# Altium PCB PCB1_NEW.PcbDoc (part 1 of 2)
Units mm, origin at the board's own origin, x right, y up, seen from the top; angles counter-clockwise.
Board outline 99.96 x 62.07 mm, 4 copper layers (Top Layer, GND2, V_S_3, Bottom Layer), stack 0.778 mm thick; 69 components, 99 nets, 303 pads, 184 vias.
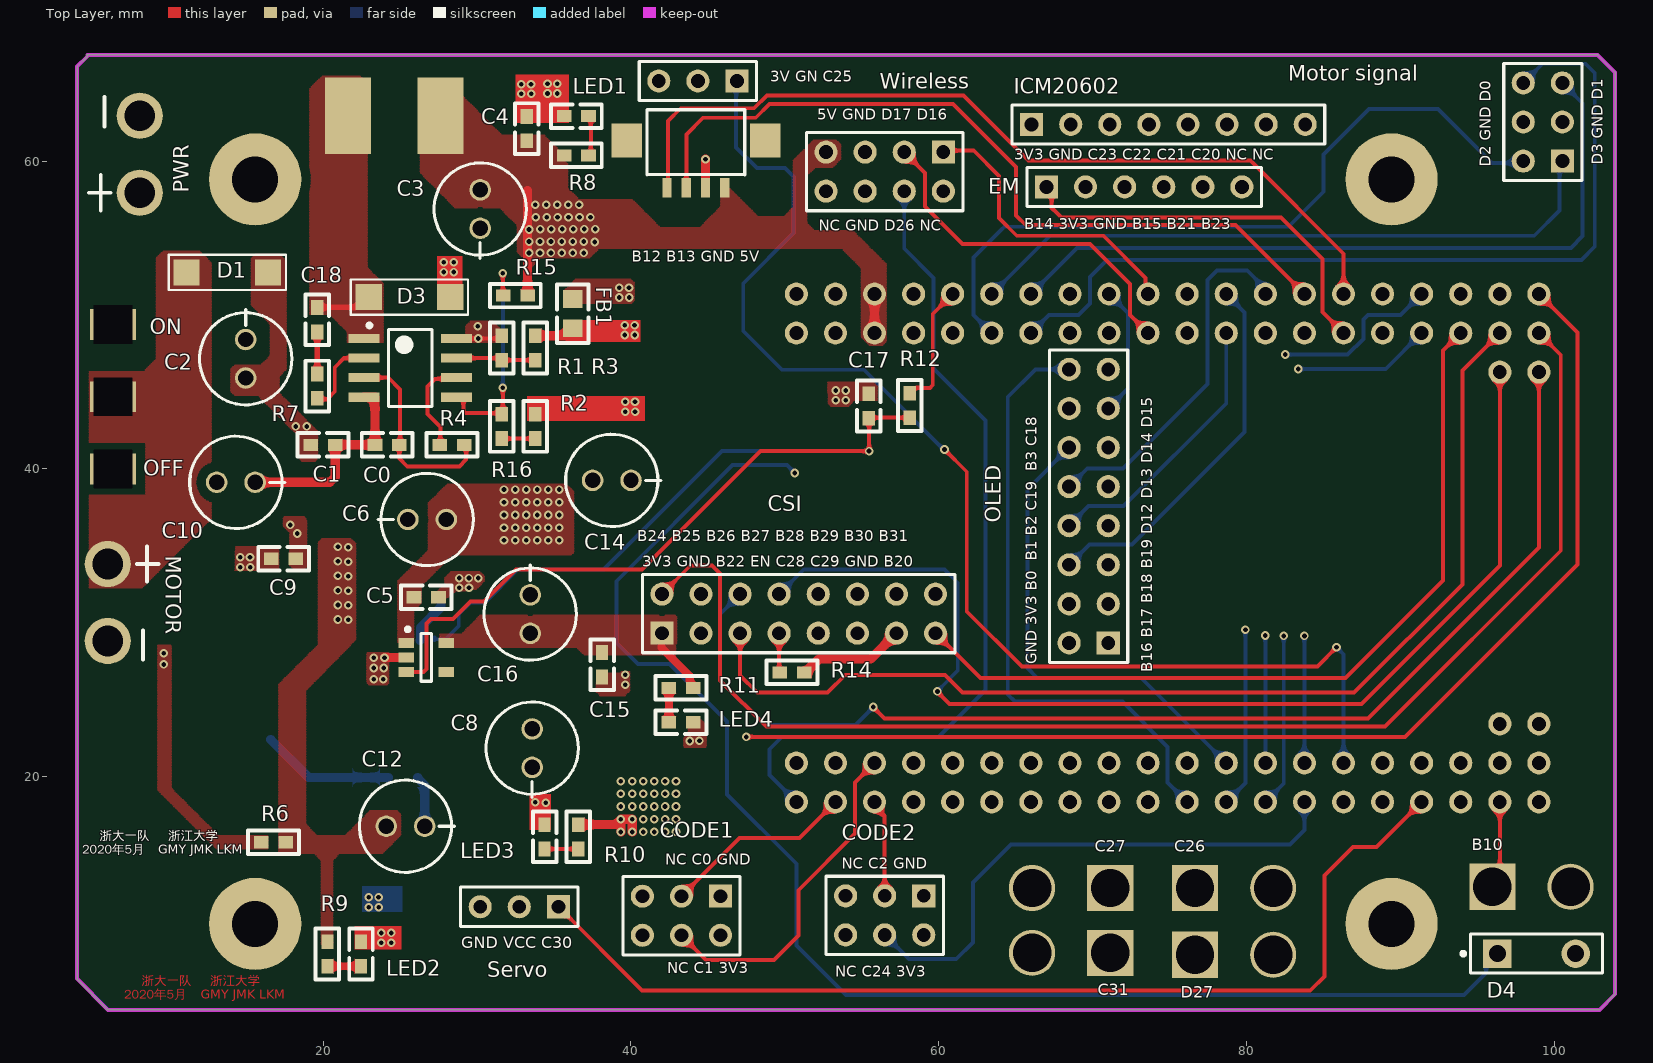
[diagram p0: Top Layer view]
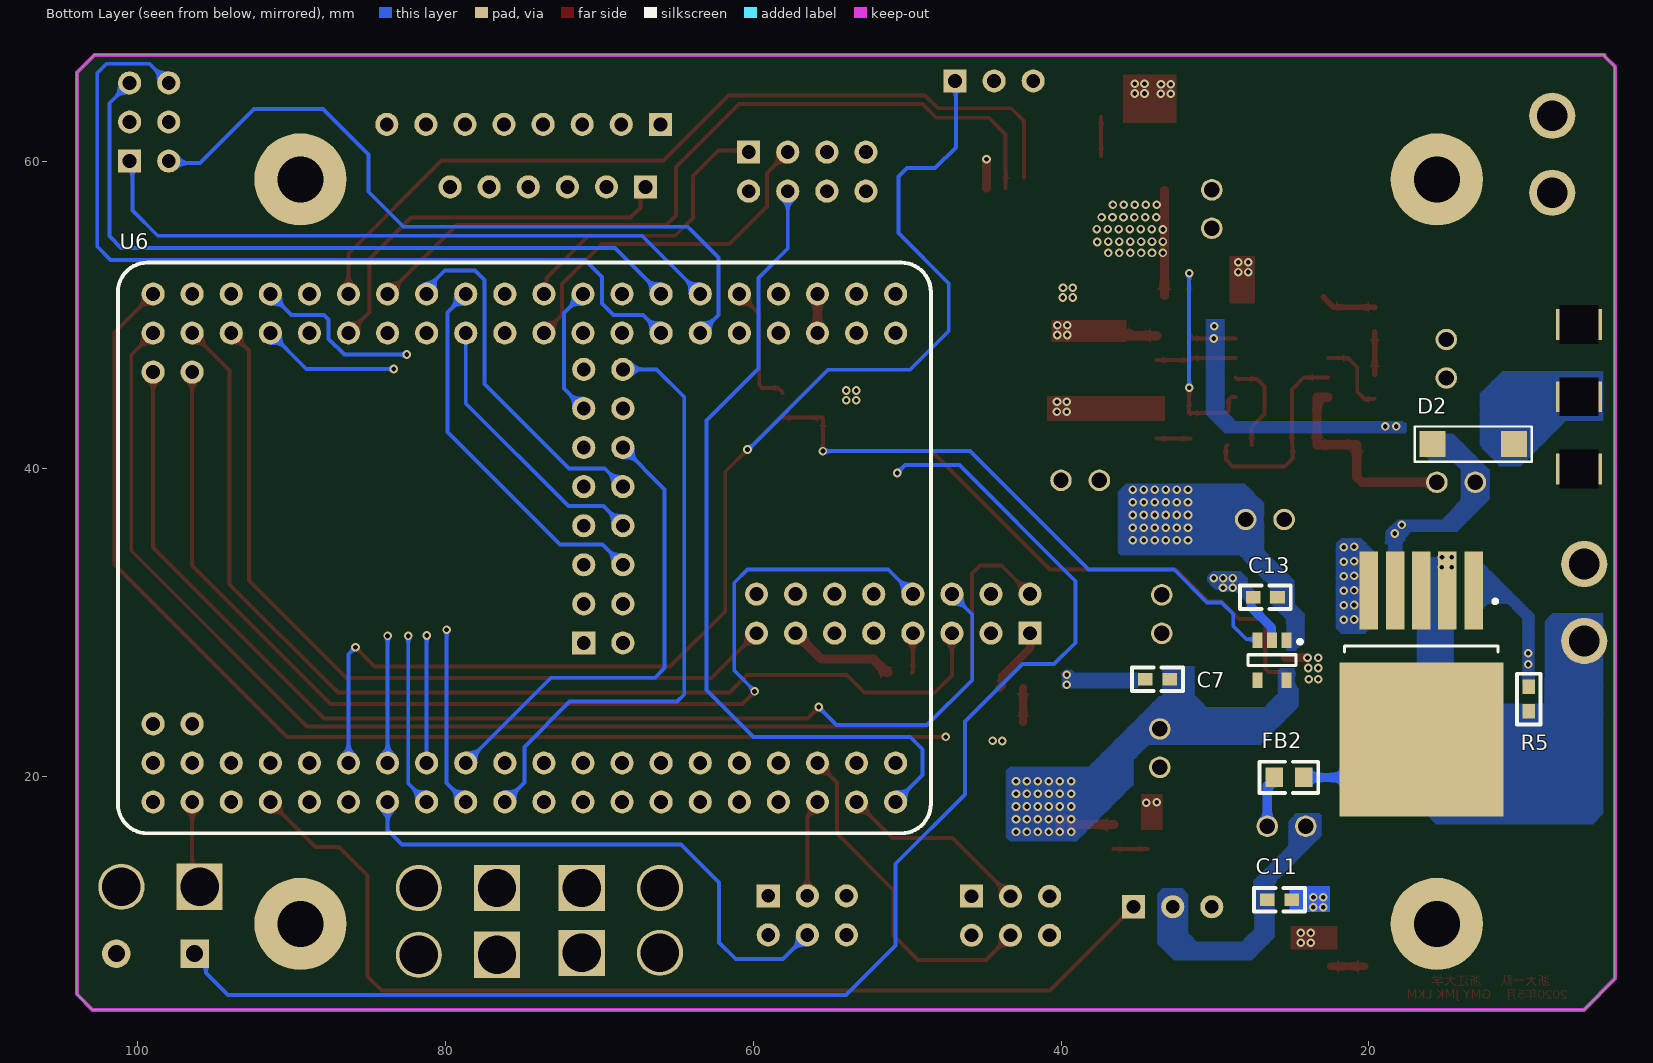
[diagram p1: Bottom Layer view, seen from below]
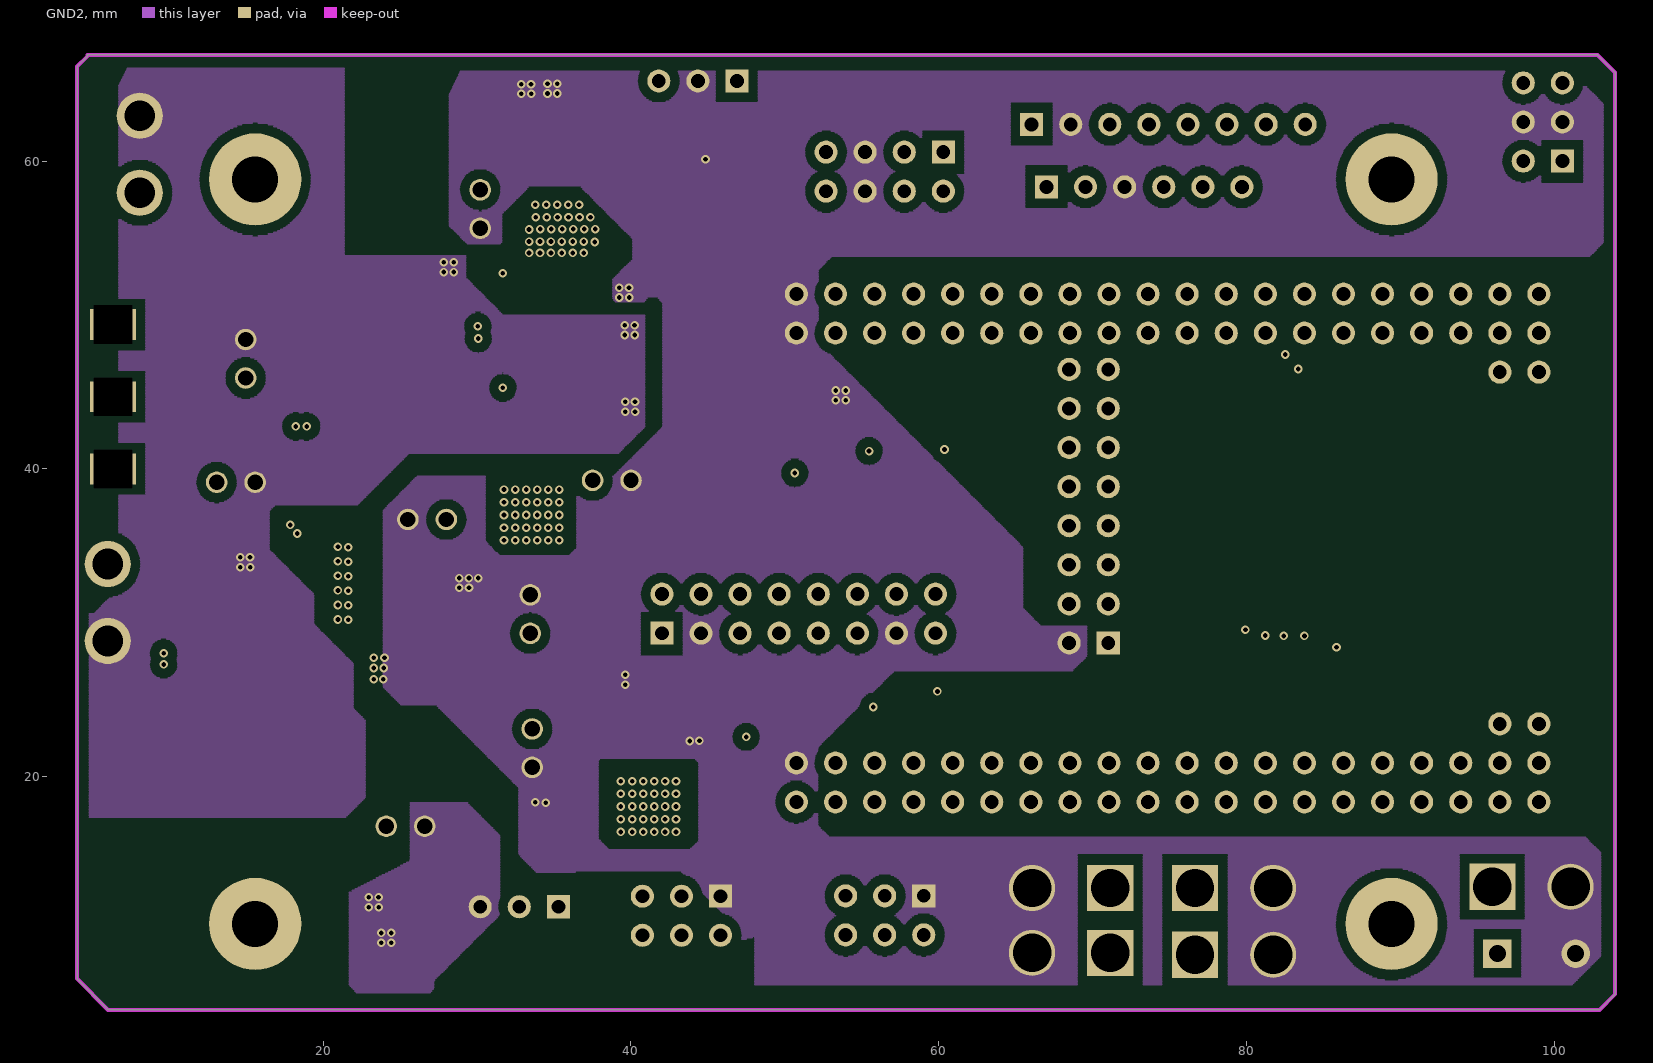
[diagram p2: GND2]
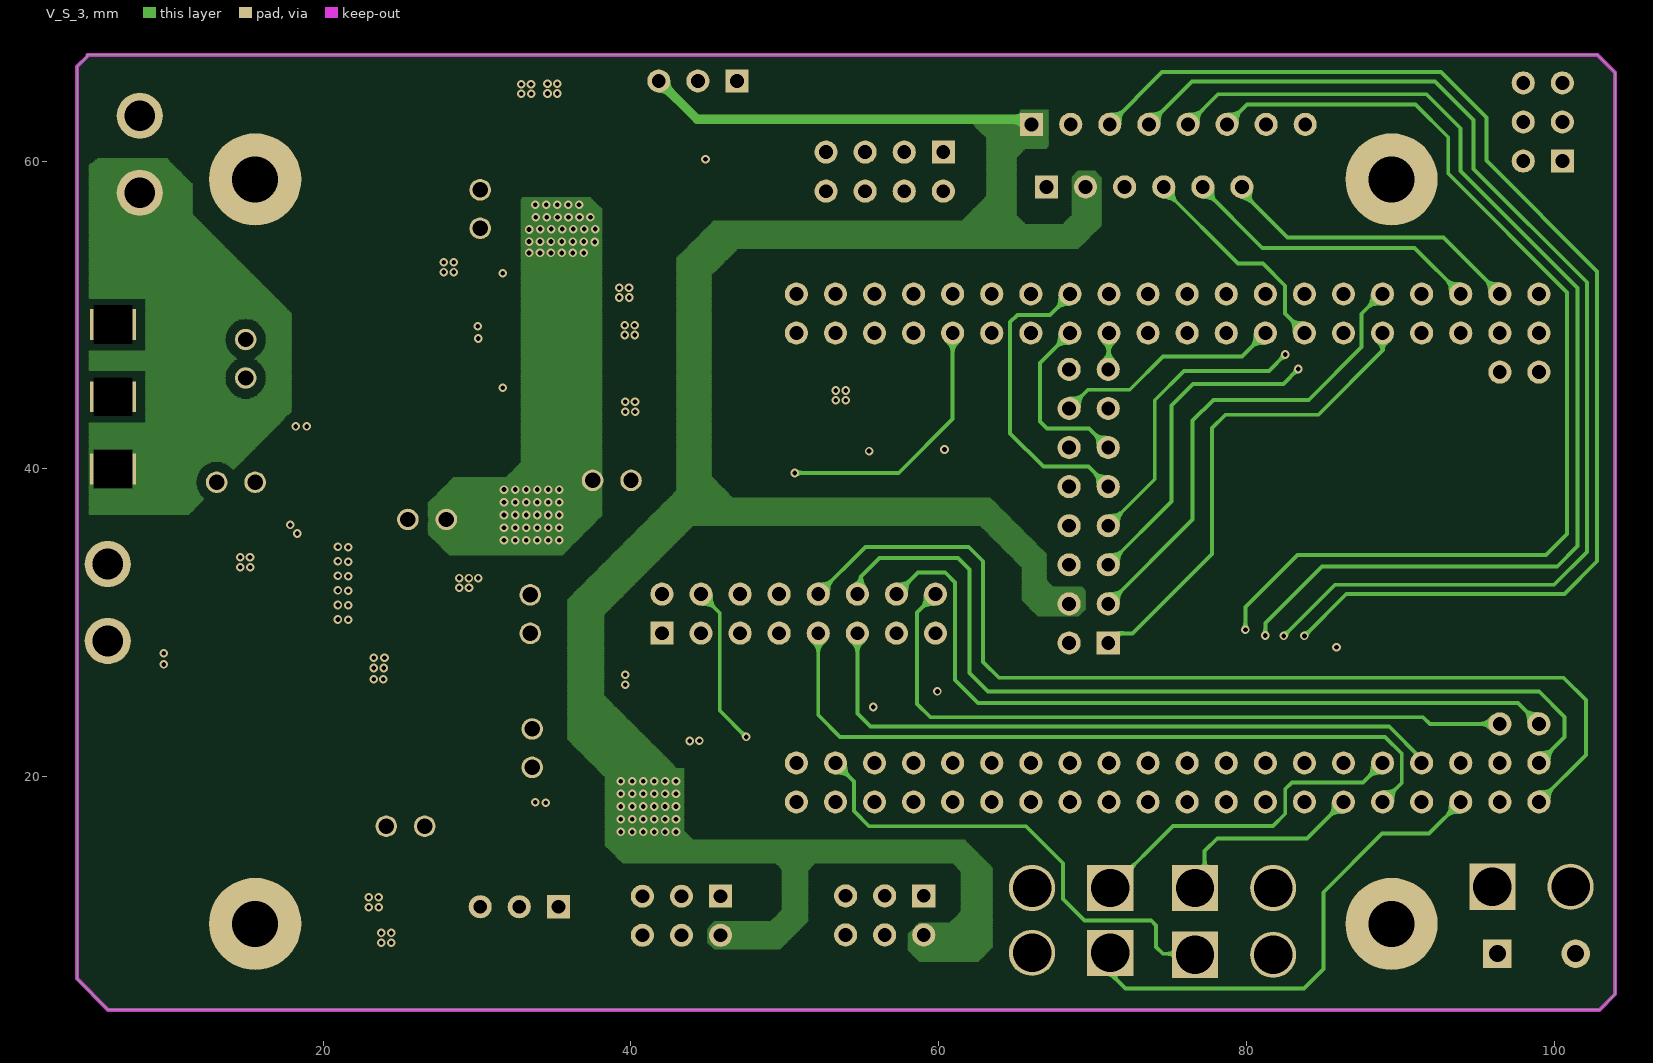
[diagram p3: V_S_3]

## Layer stack, top to bottom
Top Solder: solder mask 0.0102, Solder Resist, Dk 3.5
Top Layer: signal copper 0.0356
Dielectric 1: core 0.254, FR-4, Dk 4.2
GND2: signal copper 0.036
Dielectric 3: prepreg 0.127, Dk 4.2
V_S_3: signal copper 0.036
Dielectric 2: core 0.254, Dk 4.2
Bottom Layer: signal copper 0.0356
Bottom Solder: solder mask 0.0102, Solder Resist, Dk 3.5

## Board outline
4,6.858 4,66.135 4.674,66.808 4.674,66.897 102.819,66.897 103.962,65.754 103.962,5.842 102.946,4.826 6.02,4.826

## Design rules (kind name [scope] priority, off if disabled: settings)
Clearance [All] p1: gap=0.6 ignorepadtopadclearanceinfootprint=TRUE except(0.1: Arc-Text Track-Text SMDPad-Text THPad-Text Via-Text Fill-Text Poly-Text Region-Text Text-Text Text-Hole; 0.2: Arc-Via Track-Via SMDPad-Via THPad-Via Via-Via; 0.254: Arc-Arc Arc-Track Arc-SMDPad Arc-THPad Track-Track Track-SMDPad Track-THPad SMDPad-SMDPad SMDPad-THPad THPad-THPad)
HoleSize [All] p1: absolutevalues=TRUE maxlimit=3.048 minlimit=0.025 maxpercent=80.000 minpercent=20.000
MinimumSolderMaskSliver [All] p1: minsoldermaskwidth=0.051
PlaneClearance [All] p1: clearance=0.203
PlaneConnect [All] p1: planeconnectstyle=Direct reliefexpansion=0.508 reliefentries=4 reliefconductorwidth=0.254 reliefairgap=0.254
PolygonConnect [All] p1: connectstyle=Direct reliefconductorwidth=0.254 reliefentries=4 polygonreliefangle="90 Angle" airgapwidth=0.254
RoutingVias [All] p1: holewidth=0.305 width=0.559 viastyle="Through Hole" minholewidth=0.305 minwidth=0.559 maxholewidth=0.305 maxwidth=0.559
SilkToSilkClearance [All] p1: silktosilkclearance=0.051
SilkToSolderMaskClearance [IsPad] p1: minsilkscreentomaskgap=0.051 clearancetoexposedcopper=TRUE
SolderMaskExpansion [All] p1: expansion=0.102
Width PWR [InNetClass('PWR')] p1: maxlimit=1.524 minlimit=0.6 preferedwidth=0.6
Width [All] p2: maxlimit=0.6 minlimit=0.254 preferedwidth=0.254
24 further rules are at their usual default settings.

## Classes and differential pairs
net class PWR: 3V3 GND GNDBAT GNDServo VCC5V VCCBAT VCCServo
component class main_board2: C0 C1 C2 C3 C4 C5 C6 C7 C8 C9 C10 C11 C12 C13 C14 C15 C16 C17 C18 D1 D2 D3 FB1 FB2 LED1 LED2 LED3 LED4 MOTOR ON R1 R2 R3 R4 R5 R6 R7 R8 R9 R10 R11 R12 R14 R15 R16 U6

## Components (designator, comment, footprint, x,y, rotation, side; value= is the part's Value field where it differs from the comment)
B10 "Comment" SPST-2#1 98.527,12.827 r0 top
C0 "Cap" 0603C 24.155,41.554 r180 top value=1uF
C1 "Cap" 0603C 19.983,41.554 r180 top value=100nF
C2 "Cap" 电解电容 14.961,45.898 r90 top value=100uF/16V
C3 "Cap" 电解电容 30.201,58.126 r270 top value=100uF/16V
C4 "Cap" 0603C 33.223,62.103 r270 top value=100nF
C5 "Cap" 0603C 26.695,31.648 r180 top value=100nF
C6 "Cap" 电解电容 28.002,36.703 r180 top value=100uF/16V
C7 "Cap" 0603C 33.731,26.314 r180 bottom value=100nF
C8 "Cap" 电解电容 33.579,23.089 r270 top value=100uF/16V
C9 "Cap" 0603C 17.424,34.148 r0 top value=100nF
C10 "Cap" 电解电容 13.07,39.116 r0 top value=100uF/16V
C11 "Cap" 0603C 25.806,11.989 r0 bottom value=100nF
C12 "Cap" 电解电容 24.094,16.764 r0 top value=100uF/16V
C13 "Cap" 0603C 26.721,31.648 r180 bottom value=100nF
C14 "Cap" 电解电容 37.505,39.243 r0 top value=100uF/16V
C15 "Cap" 0603C 38.125,27.261 r90 top value=100nF
C16 "Cap" 电解电容 33.452,29.301 r90 top value=100uF/16V
C17 "Cap" 0603C 55.451,44.075 r270 top value=10uF
C18 "Cap" 0603C 19.609,49.682 r90 top value=1uF
C26 "Comment" SPST-2#1 79.197,12.751 r0 top
C27 "Comment" SPST-2#1 68.605,12.751 r180 top
C31 "Comment" SPST-2#1 68.605,8.534 r180 top
CODE1 "Header 3X2" HDR2X3 45.822,12.217 r180 top (schematic designator P4)
CODE2 "Header 3X2" HDR2X3 59.03,12.243 r180 top (schematic designator P5)
CSI "Header 8X2" HDR2X8 42.012,29.312 r0 top (schematic designator P11)
D1 "SS54" ss54 13.767,52.756 r180 top
D2 "SS54" ss54 13.208,41.605 r180 bottom
D3 "SS54" ss54 25.603,51.156 r0 top
D4 "" SPST-2#2 98.857,8.484 r0 top (schematic designator S0)
D27 "Comment" SPST-2#1 79.197,8.407 r0 top
EM "Header 6" HDR1X6 67.005,58.318 r0 top (schematic designator P14)
FB1 "0R" 0805 36.22,50.076 r270 top
FB2 "0R" 0805 25.184,19.939 r0 bottom
ICM20602 "Header 8" HDR1X8 66.04,62.382 r0 top (schematic designator P8)
LED1 "0" 0603C 36.45,62.916 r180 top
LED2 "0" 0603C 22.454,8.458 r90 top
LED3 "0" 0603C 34.392,16.078 r90 top
LED4 "0" 0603C 43.256,23.52 r0 top
MOTOR "Header 2" VCCBAT 5.994,29.362 r270 top (schematic designator P9)
"Motor signal" "Header 3X2" HDR2X3 100.533,59.995 r90 top (schematic designator P6)
OLED "Header 8X2" HDR2X8 71.018,28.677 r90 top (schematic designator P1)
ON "SW-SPDT" SW 6.325,44.679 r270 top (schematic designator S6)
P15 "Header 3" HDR1X3 46.888,65.202 r180 top
PWR "Header 2" VCCBAT 8.077,62.382 r90 top (schematic designator P10)
R1 "Res2" 0603R 31.598,47.854 r90 top value=51k
R2 "Res2" 0603R 33.782,42.755 r270 top value=47
R3 "Res2" 0603R 33.782,47.854 r270 top value=130k
R4 "Res2" 0603R 28.372,41.554 r0 top value=100k
R5 "Res2" 0603R 9.601,25.025 r90 bottom value=100k
R6 "Res2" 0603R 16.764,15.723 r0 top value=360k
R7 "Res2" 0603R 19.609,45.364 r90 top value=10R
R8 "Res2" 0603R 36.45,60.363 r180 top value=4.7k
R9 "Res2" 0603R 20.269,8.458 r90 top value=5.6k
R10 "Res2" 0603R 36.576,16.078 r90 top value=2.2k
R11 "Res2" 0603R 43.256,25.756 r0 top value=2.2k
R12 "Res2" 0603R 58.115,44.113 r270 top value=10k
R14 "Res2" 0603R 50.47,26.761 r180 top value=10k
R15 "Res2" 0603R 32.487,51.257 r0 top value=27k
R16 "Res2" 0603R 31.598,42.755 r90 top value=5.1K
Servo "Header 3" HDR1X3 35.281,11.532 r180 top (schematic designator P3)
U2 "RT9013-33" SOT23-5_L 26.695,27.737 r0 top
U3 "LM2941" TO-263-5L 16.586,27.239 r270 bottom
U4 "RT9013-33" SOT23-5_L 26.289,27.559 r270 bottom
U5 "MP2482" SOIC-8 25.654,46.558 r0 top
U6 "MIMXRT1064xVL_CoreBoard" MIMXRT1064XVL_COREBOARD 74.879,34.849 r0 bottom locked
Wireless "Header 4X2" HDR2X4 60.3,60.579 r180 top (schematic designator P7)
? "Comment" WAFER4 44.221,59.792 r0 top
? "Comment" CD73 19.578,59.258 r0 top

## Footprints (in the part's own frame and the unit in brackets; to place one, negate y for a bottom-side part, rotate by r counter-clockwise, add the part's x,y. Pads: shape width x height; smd on the part's side, far side on the other; paste and mask are expansions set on the pad)
0603C [mil]
  rect 37.5x31 smd: 1(-31.25,0) 2(31.25,0)
  silkscreen extent -65,-30 65,30
0603R [mil]
  rect 37.5x31 smd: 1(-31.25,0) 2(31.25,0)
  silkscreen extent -65,-30 65,30
0805 [mil]
  rect 45x50 smd: 1(-37.5,0) 2(37.5,0)
  silkscreen extent -75,-40 75,40
CD73 [mm]
  rect 3x5 smd: 16(2.032,3.683) 16(8.032,3.683)
HDR1X3 [mm] "Connector; Header; 3 Position"
  rect 1.5x1.5 hole 0.9: 1(0,0)
  round 1.5 hole 0.9: 2(2.54,0) 3(5.08,0)
  silkscreen extent -1.27,-1.27 6.35,1.27
HDR1X6 [mm] "Connector; Header; 6 Position"
  rect 1.5x1.5 hole 0.9: 1(0,0)
  round 1.5 hole 0.9: 2(2.54,0) 3(5.08,0) 4(7.62,0) 5(10.16,0) 6(12.7,0)
  silkscreen extent -1.27,-1.27 13.97,1.27
HDR1X8 [mm] "Connector; Header; 8 Position"
  rect 1.5x1.5 hole 0.9: 1(0,0)
  round 1.5 hole 0.9: 2(2.54,0) 3(5.08,0) 4(7.62,0) 5(10.16,0) 6(12.7,0) 7(15.24,0) 8(17.78,0)
  silkscreen extent -1.27,-1.27 19.05,1.27
HDR2X3 [mm] "Connector; Header; 3x2 Position"
  rect 1.5x1.5 hole 0.9: 1(0,0)
  round 1.5 hole 0.9: 2(0,2.54) 3(2.54,0) 4(2.54,2.54) 5(5.08,0) 6(5.08,2.54)
  silkscreen extent -1.27,-1.27 6.35,3.81
HDR2X4 [mm] "Connector; Header; 4x2 Position"
  rect 1.5x1.5 hole 0.9: 1(0,0)
  round 1.5 hole 0.9: 2(0,2.54) 3(2.54,0) 4(2.54,2.54) 5(5.08,0) 6(5.08,2.54) 7(7.62,0) 8(7.62,2.54)
  silkscreen extent -1.27,-1.27 8.89,3.81
HDR2X8 [mm] "Connector; Header; 8x2 Position"
  rect 1.5x1.5 hole 0.9: 1(0,0)
  round 1.5 hole 0.9: 2(0,2.54) 3(2.54,0) 4(2.54,2.54) 5(5.08,0) 6(5.08,2.54) 7(7.62,0) 8(7.62,2.54) 9(10.16,0) 10(10.16,2.54) 11(12.7,0) 12(12.7,2.54) 13(15.24,0) 14(15.24,2.54) 15(17.78,0) 16(17.78,2.54)
  silkscreen extent -1.27,-1.27 19.05,3.81
MIMXRT1064XVL_COREBOARD [mm] "逐飞科技i.MX RT1064核心板整体封?"
  round 1.5 hole 0.9: 1(-24.13,-16.51) 2(-24.13,-13.97) 3(-21.59,-16.51) 4(-21.59,-13.97) 5(-19.05,-16.51) 6(-19.05,-13.97) 7(-16.51,-16.51) 8(-16.51,-13.97) 9(-13.97,-16.51) 10(-13.97,-13.97) 11(-11.43,-16.51) 12(-11.43,-13.97) 13(-8.89,-16.51) 14(-8.89,-13.97) 15(-6.35,-16.51) 16(-6.35,-13.97) 17(-3.81,-16.51) 18(-3.81,-13.97) 19(-1.27,-16.51) 20(-1.27,-13.97) 21(1.27,-16.51) 22(1.27,-13.97) 23(3.81,-16.51) 24(3.81,-13.97) 25(6.35,-16.51) 26(6.35,-13.97) 27(8.89,-16.51) 28(8.89,-13.97) 29(11.43,-16.51) 30(11.43,-13.97) 31(13.97,-16.51) 32(13.97,-13.97) 33(16.51,-16.51) 34(16.51,-13.97) 35(19.05,-16.51) 36(19.05,-13.97) 37(21.59,-16.51) 38(21.59,-13.97) 39(24.13,-16.51) 40(24.13,-13.97) 41(21.59,-11.43) 42(24.13,-11.43) 43(24.13,11.43) 44(21.59,11.43) 45(24.13,13.97) 46(24.13,16.51) 47(21.59,13.97) 48(21.59,16.51) 49(19.05,13.97) 50(19.05,16.51) 51(16.51,13.97) 52(16.51,16.51) 53(13.97,13.97) 54(13.97,16.51) 55(11.43,13.97) 56(11.43,16.51) 57(8.89,13.97) 58(8.89,16.51) 59(6.35,13.97) 60(6.35,16.51) 61(3.81,13.97) 62(3.81,16.51) 63(1.27,13.97) 64(1.27,16.51) 65(-1.27,13.97) 66(-1.27,16.51) 67(-3.81,13.97) 68(-3.81,16.51) 69(-6.35,13.97) 70(-6.35,16.51) 71(-8.89,13.97) 72(-8.89,16.51) 73(-11.43,13.97) 74(-11.43,16.51) 75(-13.97,13.97) 76(-13.97,16.51) 77(-16.51,13.97) 78(-16.51,16.51) 79(-19.05,13.97) 80(-19.05,16.51) 81(-21.59,13.97) 82(-21.59,16.51) 83(-24.13,13.97) 84(-24.13,16.51)
  silkscreen extent -26.42,-18.54 26.42,18.54
SOIC-8 [mm]
  rect 2x0.6 smd: 1(-3,1.905) 2(-3,0.635) 3(-3,-0.635) 4(-3,-1.905) 5(3,-1.905) 6(3,-0.635) 7(3,0.635) 8(3,1.905)
  silkscreen extent -2.77,-2.5 1.4,2.88, body extent -3.05,-2.44 3.05,2.46, height 1.51
SOT23-5_L [mm] "SOT23, 6-Leads, Body 2.9x1.6mm, Pitch 0.95mm, Lead Span 2.7mm, IPC High Density"
  rect 1x0.65 smd: 1(-1.3,0.95) 2(-1.3,0) 3(-1.3,-0.95) 4(1.3,-0.95) 5(1.3,0.95)
  silkscreen extent -1.32,-1.55 0.35,1.95, body extent -1.36,-1.5 1.14,1.5, height 1.05
SPST-2#1 [mm] "Switch; 2 Leads"
  rect 3x3 hole 2.5: 1(-2.54,0)
  round 3 hole 2.5: 2(2.54,0)
SPST-2#2 [mm] "Switch; 2 Leads"
  rect 1.85x1.85 hole 1.1: 1(-2.54,0)
  round 1.85 hole 1.1: 2(2.54,0)
  silkscreen extent -4.89,-1.27 4.28,1.27
ss54 [mm]
  rect 1.7x1.7 smd: A(-2.65,0) K(2.65,0)
  silkscreen extent -3.81,-1.14 3.81,1.14
SW [mm]
  rect 2x3 hole 2.5 square: 1(-4.7,0) 2(0,0) 3(4.7,0)
TO-263-5L [mm]
  rect 5.08x1.2 smd: 1(-4.845,3.4) 2(-4.845,1.7) 3(-4.845,0) 4(-4.845,-1.7) 5(-4.845,-3.4)
  rect 10x10.66 smd: 6(4.845,0)
  silkscreen extent -4.26,-5 -0.86,5, body extent -4.34,-5.05 9.67,5.11, height 4.58
VCCBAT [mm]
  round 3 hole 2: 1(-4.445,0) 1(0.555,0)
  silkscreen extent -5.59,1.9 1.78,3.3
WAFER4 [mm]
  rect 2x2.2 smd: 0(-4.5,1.538) 0(4.5,1.538)
  rect 0.6x1.27 smd: 1(-1.875,-1.537) 2(-0.625,-1.537) 3(0.625,-1.537) 4(1.875,-1.537)
  silkscreen extent -3.17,-0.7 3.17,3.54
电解电容 [mm]
  round 1.4 hole 1: 1(0,0) 2(2.5,0)
  silkscreen extent -1.75,-3 4.44,3

## Part data
C0 C1 C4 C5 C7 C9 C11 C13 C15 C17 C18: "Capacitor", LatestRevisionDate=17-Jul-2002, LatestRevisionNote="Re-released for DXP Platform.", PackageDescription="Radial Cap, Thru-Hole; 2 Leads; 0.3 in Pin Spacing", PackageReference=RAD-0.3, Published=8-Jun-2000, Publisher="Altium Limited"
C2 C3 C6 C8 C10 C12 C14 C16: library part Cap2, "Capacitor", LatestRevisionDate=17-Jul-2002, LatestRevisionNote="Re-released for DXP Platform.", PackageDescription="Radial Cap, Thru-Hole; 2 Leads; 0.3 in Pin Spacing", PackageReference=RAD-0.3, Published=8-Jun-2000, Publisher="Altium Limited"
CODE1 CODE2 "Motor signal": "Header, 3-Pin, Dual row", LatestRevisionDate=17-Jul-2002, LatestRevisionNote="Re-released for DXP Platform.", Publisher="Altium Limited"
CSI OLED: "Header, 8-Pin, Dual row", LatestRevisionDate=17-Jul-2002, LatestRevisionNote="Re-released for DXP Platform.", Publisher="Altium Limited"
D1 D2 D3: library part Diode_1, "Default Diode", Code_JEDEC=DO-214-AB, LatestRevisionDate=17-Jul-2002, LatestRevisionNote="Re-released for DXP Platform.", PackageDescription="DO-214-AB/SMC; 2 C-Bend Leads; Body 7.9 x 5.9 mm, inc. leads (LxW)", PackageReference=SMC, PackageVersion=Sep-1996, Published=8-Jun-2000, Publisher="Altium Limited"
D4: library part SW-PB, "Switch", LatestRevisionDate=17-Jul-2002, LatestRevisionNote="Re-released for DXP Platform.", PackageDescription="Switch; 2 Leads", PackageReference=SPST-2, Published=24-Mar-1999, Publisher="Altium Limited"
EM: "Header, 6-Pin 电磁弯针 焊下面", LatestRevisionDate=17-Jul-2002, LatestRevisionNote="Re-released for DXP Platform.", Publisher="Altium Limited"
FB1 FB2: library part FB, "Inductor", Code_IEC=1005, Code_JEITA=0402, LatestRevisionDate=29-May-2009, LatestRevisionNote="IPC-7351 Footprint Added.", PackageDescription="Chip Inductor", PackageReference=0402-A, Published=8-Jun-2000, Publisher="Altium Limited"
ICM20602: "Header, 8-Pin 陀螺仪 直插向下有点面积", LatestRevisionDate=17-Jul-2002, LatestRevisionNote="Re-released for DXP Platform.", Publisher="Altium Limited"
LED1 LED2 LED3 LED4: library part LED2, "Typical RED, GREEN, YELLOW, AMBER GaAs LED", LatestRevisionDate=17-Jul-2002, LatestRevisionNote="Re-released for DXP Platform.", PackageDescription="SM LED; 2 Flat Leads", PackageReference=3.2X1.6X1.1, PackageVersion=Feb-2002, Published=8-Jun-2000, Publisher="Altium Limited"
MOTOR: library part "Header 2_1", "Header, 2-Pin", LatestRevisionDate=17-Jul-2002, LatestRevisionNote="Re-released for DXP Platform.", Publisher="Altium Limited"
ON: "SPDT Subminiature Toggle Switch, Right Angle Mounting, Vertical Actuation", ComponentLink1Description="Manufacturer Link", ComponentLink1URL=http://www.apem.com, DatasheetVersion=05-Dec-2000, LatestRevisionDate=17-Dec-2003, LatestRevisionNote="Schematic revised, PCB Footprint replaced.", PackageDescription="Switch; 4 Leads", PackageReference=TL36WW15050, Published=24-Mar-1999, Publisher="Altium Limited"
P15 Servo: "Header, 3-Pin", LatestRevisionDate=17-Jul-2002, LatestRevisionNote="Re-released for DXP Platform.", Publisher="Altium Limited"
PWR: library part "Header 2_2", "Header, 2-Pin", LatestRevisionDate=17-Jul-2002, LatestRevisionNote="Re-released for DXP Platform.", Publisher="Altium Limited"
R1 R2 R4 R5 R7 R8 R10 R11 R12 R14 R15 R16: "Resistor", LatestRevisionDate=17-Jul-2002, LatestRevisionNote="Re-released for DXP Platform.", PackageDescription="Axial Device, Thru-Hole; 2 Leads; 0.4 in Pin Spacing", PackageReference=AXIAL-0.4, Published=8-Jun-2000, Publisher="Altium Limited"
R3: "Resistor 改成了120k", LatestRevisionDate=17-Jul-2002, LatestRevisionNote="Re-released for DXP Platform.", PackageDescription="Axial Device, Thru-Hole; 2 Leads; 0.4 in Pin Spacing", PackageReference=AXIAL-0.4, Published=8-Jun-2000, Publisher="Altium Limited"
R6: "Resistor 改成了330k", LatestRevisionDate=17-Jul-2002, LatestRevisionNote="Re-released for DXP Platform.", PackageDescription="Axial Device, Thru-Hole; 2 Leads; 0.4 in Pin Spacing", PackageReference=AXIAL-0.4, Published=8-Jun-2000, Publisher="Altium Limited"
R9: "Resistor改成了5.1k", LatestRevisionDate=17-Jul-2002, LatestRevisionNote="Re-released for DXP Platform.", PackageDescription="Axial Device, Thru-Hole; 2 Leads; 0.4 in Pin Spacing", PackageReference=AXIAL-0.4, Published=8-Jun-2000, Publisher="Altium Limited"
U3: "Header, 4-Pin", LatestRevisionDate=17-Jul-2002, LatestRevisionNote="Re-released for DXP Platform.", Publisher="Altium Limited"
U6: "逐飞科技i.MX RT1064核心板整体原理，可直接使用"
Wireless: "Header, 4-Pin, Dual row", LatestRevisionDate=17-Jul-2002, LatestRevisionNote="Re-released for DXP Platform.", Publisher="Altium Limited"

## Free pads (board coordinates)
  round 6 hole 3: 0(15.57,10.414) 0(15.57,58.801) 0(89.433,10.414) 0(89.433,58.801)

## Via types
v1: diameter 0.559, hole 0.305, Top Layer to Bottom Layer, tented both sides, 184 vias

## Nets (pads, with @x,y where several pads share a name; then routed paths per layer and width w, separated by ;. In a path a pad name is that pad's centre, name@x,y a point inside that pad or via, vN(x,y) a via of type N, cw(c..) or ccw(c..) an arc to the next point about the centre after c; other vN are vias at no path point)
3V3: C7.2 C8.1 CODE1.2 CODE2.2 EM.2 ICM20602.1 OLED.4 P15.3 R10.2 U4.5 | length 30.9
  Top Layer w0.6: R10.2@36.576,16.872 38.995,16.872 v1(39.345,17.221) ; v1(39.345,16.396) v1(39.345,17.221) ; v1(40.081,16.396) v1(40.081,17.221) v1(39.345,17.221)
  V_S_3 w0.6: P15.3@41.808,65.445 P15.3@41.808,65.202 44.298,62.713 65.71,62.713 ICM20602.1@66.04,62.382
  other v1: 40.792,16.396 41.504,16.396 42.215,16.396 42.926,16.396 40.792,17.221 41.504,17.221 42.215,17.221 42.926,17.221 39.345,18.047 40.081,18.047 40.792,18.047 41.504,18.047 42.215,18.047 42.926,18.047 39.345,18.872 40.081,18.872 40.792,18.872 41.504,18.872 42.215,18.872 42.926,18.872 39.345,19.698 40.081,19.698 40.792,19.698 41.504,19.698 42.215,19.698 42.926,19.698
B0: OLED.6 U6.23 | length 24.4
  Bottom Layer w0.254: OLED.6@68.478,33.757 69.791,35.07 72.56,35.07 79.883,42.393 79.883,50.165 U6.23@78.689,51.359
B1: OLED.8 U6.24 | length 18.1
  Bottom Layer w0.254: OLED.8@68.478,36.297 69.748,37.567 72.009,37.567 78.689,44.247 U6.24@78.689,48.819
B2: OLED.10 U6.25 | length 23.3
  Bottom Layer w0.254: OLED.10@68.478,38.837 69.655,40.014 71.967,40.014 77.47,45.517 77.47,52.265 78.08,52.874 80.051,52.874 81.229,51.696 U6.25@81.229,51.359
B3: OLED.14 U6.26 | length 14.8
  V_S_3 w0.254: OLED.14@68.478,43.917 69.698,45.136 72.415,45.136 74.574,47.295 79.705,47.295 U6.26@81.229,48.819
B9: U6.49
B10: B10.1 U6.48 | length 5.9
  Top Layer w0.254: B10.1@96.317,12.471 96.469,12.624 U6.48@96.469,18.339
B11: U6.47
B12: ?.1 U6.29 | length 55.2
  Top Layer w0.254: 42.397,58.915 42.397,62.59 43.233,63.426 48.008,63.426 48.844,64.262 61.603,64.262 65.845,60.02 80.264,60.02 86.309,53.975 U6.29@86.309,51.359
B13: ?.2 U6.27 | length 51.4
  Top Layer w0.254: ?.2@43.596,58.254 43.596,61.732 44.675,62.81 48.111,62.81 49.004,63.703 60.935,63.703 65.024,59.614 65.024,56.464 65.659,55.829 79.299,55.829 U6.27@83.769,51.359
B14: EM.1 U6.30 | length 25.9
  Top Layer w0.254: EM.1@67.005,58.318 67.337,57.987 67.337,56.947 67.44,56.844 67.464,56.844 67.97,56.337 82.249,56.337 84.946,53.64 84.946,50.182 U6.30@86.309,48.819
B15: EM.4 U6.28 | length 14.2
  V_S_3 w0.254: EM.4@74.625,58.318 74.625,58.166 79.464,53.327 81.064,53.327 82.499,51.892 82.499,50.089 U6.28@83.769,48.819
B16: OLED.1 U6.32 | length 31.6
  V_S_3 w0.254: OLED.1@71.018,28.677 71.641,29.3 72.607,29.3 77.775,34.468 77.775,42.647 78.638,43.51 84.684,43.51 88.849,47.676 U6.32@88.849,48.819
B17: OLED.3 U6.31 | length 31.2
  V_S_3 w0.254: OLED.3@71.018,31.217 76.505,36.703 76.505,43.129 77.851,44.475 84.049,44.475 87.486,47.913 87.486,50.072 88.773,51.359 U6.31@88.849,51.359
B18: OLED.5 U6.34 | length 30.3
  V_S_3 w0.254: OLED.5@71.018,33.757 75.133,37.871 75.133,44.12 76.53,45.517 82.398,45.517 v1(83.363,46.482)
  Bottom Layer w0.254: v1(83.363,46.482) 89.052,46.482 U6.34@91.389,48.819
B19: OLED.7 U6.33 | length 30.4
  V_S_3 w0.254: OLED.7@71.018,36.297 74.041,39.319 74.041,44.45 75.946,46.355 81.458,46.355 v1(82.525,47.422)
  Bottom Layer w0.254: v1(82.525,47.422) 86.577,47.422 87.599,48.444 87.599,49.702 87.893,49.996 90.026,49.996 U6.33@91.389,51.359
B20: CSI.15 U6.36 | length 53.4
  Top Layer w0.254: CSI.15@59.792,29.312 62.713,26.391 86.436,26.391 92.786,32.741 92.786,47.676 U6.36@93.929,48.819
B21: EM.5 U6.35 | length 19.7
  V_S_3 w0.254: EM.5@77.165,58.318 77.165,58.217 81.026,54.356 90.932,54.356 U6.35@93.929,51.359
B22: CSI.5 U6.38 | length 71.3
  Top Layer w0.254: CSI.5@47.092,29.312 47.092,26.568 48.209,25.451 52.781,25.451 53.924,26.594 60.401,26.594 61.544,25.451 86.995,25.451 94.031,32.487 94.031,46.38 U6.38@96.469,48.819
B23: EM.6 U6.37 | length 19.8
  V_S_3 w0.254: EM.6@79.705,58.318 79.705,57.981 82.67,55.016 92.812,55.016 U6.37@96.469,51.359
B24: CSI.2 U6.40 | length 87.1
  Top Layer w0.254: CSI.2@42.012,31.852 43.853,33.693 43.853,33.718 45.276,33.718 45.796,33.198 45.796,26.248 48.803,23.241 89.002,23.241 100.432,34.671 100.432,47.396 U6.40@99.009,48.819
B25: CSI.4 U6.39 | length 88
  Top Layer w0.254: v1(47.485,22.568) 90.31,22.568 101.524,33.782 101.524,48.844 U6.39@99.009,51.359
  V_S_3 w0.254: CSI.4@44.552,31.852 44.831,31.852 44.831,31.572 45.771,30.632 45.771,24.282 v1(47.485,22.568)
B26: CSI.6 U6.42 | length 77.4
  Top Layer w0.254: v1(55.753,24.511) 55.753,24.486 56.464,23.774 87.909,23.774 99.009,34.874 U6.42@99.009,46.279
  Bottom Layer w0.254: CSI.6@47.092,31.852 45.771,30.531 45.771,26.273 48.701,23.343 54.585,23.343 v1(55.753,24.511)
B27: CSI.8 U6.41 | length 73.4
  Top Layer w0.254: v1(59.919,25.527) 59.919,25.502 60.706,24.714 87.478,24.714 96.469,33.706 U6.41@96.469,46.279
  Bottom Layer w0.254: CSI.8@49.632,31.852 51.232,33.452 60.376,33.452 61.239,32.588 61.239,26.873 v1@59.906,25.54
B28: CSI.10 U6.46 | length 67.2
  V_S_3 w0.254: CSI.10@52.172,31.852 55.245,34.925 61.951,34.925 62.89,33.985 62.89,27.432 63.906,26.416 100.609,26.416 102.057,24.968 102.057,21.387 99.289,18.618 99.289,18.339 U6.46@99.009,18.339
B29: CSI.12 U6.45 | length 59.4
  V_S_3 w0.254: CSI.12@54.712,31.852 54.943,32.083 54.943,32.983 56.149,34.188 61.265,34.188 62.001,33.452 62.001,26.721 63.195,25.527 99.035,25.527 100.686,23.876 100.686,22.555 U6.45@99.009,20.879
B30: CSI.14 U6.43 | length 50.1
  V_S_3 w0.254: CSI.14@57.252,31.852 58.649,33.249 60.427,33.249 61.062,32.614 61.062,26.264 62.56,24.765 97.663,24.765 U6.43@99.009,23.419
B31: CSI.16 U6.44 | length 46
  V_S_3 w0.254: CSI.16@59.792,31.852 58.598,30.658 58.598,24.714 59.461,23.851 91.487,23.851 91.919,23.419 U6.44@96.469,23.419
C0: CODE1.3 U6.82 | length 12.5
  Top Layer w0.254: CODE1.3@43.282,12.217 47.066,16.002 50.952,16.002 U6.82@53.289,18.339
C1: CODE1.4 U6.79 | length 22.4
  Top Layer w0.254: CODE1.4@43.282,9.677 44.882,8.077 49.301,8.077 50.876,9.652 50.876,12.605 54.559,16.288 54.559,19.609 55.55,20.599 55.829,20.599 U6.79@55.829,20.879
C2: CODE2.3 U6.80 | length 6.4
  Top Layer w0.254: U6.80@55.829,18.339 55.829,18.06 56.49,17.4 CODE2.3@56.49,12.243
C3: U6.77
C4: U6.78
C5: U6.75
C6: U6.76
C7: U6.73
C8: U6.74
C9: U6.71
C10: U6.72
C11: U6.69
C12: U6.70
C13: U6.67
C14: U6.68
C15: U6.65
C16: U6.66
C17: U6.63
C18: OLED.16 U6.64 | length 40
  Bottom Layer w0.254: OLED.16@68.478,46.457 66.294,46.457 64.491,44.653 64.491,25.324 64.948,24.867 71.933,24.867 74.879,21.92 74.879,19.609 U6.64@76.149,18.339
C19: OLED.12 U6.61 | length 31.1
  Bottom Layer w0.254: OLED.12@68.478,41.377 65.761,38.659 65.761,27.051 66.396,26.416 73.152,26.416 78.384,21.184 78.689,21.184 U6.61@78.689,20.879
C20: ICM20602.6 U6.62 | length 80.8
  V_S_3 w0.254: ICM20602.6@78.74,62.382 80.035,63.678 90.983,63.678 93.116,61.544 93.116,59.182 100.838,51.46 100.838,35.763 99.466,34.392 83.312,34.392 79.934,31.013 v1(79.934,29.54)
  Bottom Layer w0.254: U6.62@78.689,18.339 79.934,19.583 v1(79.934,29.54)
C21: ICM20602.5 U6.59 | length 81.2
  V_S_3 w0.254: ICM20602.5@76.2,62.382 78.156,64.338 91.694,64.338 93.904,62.128 93.904,59.36 101.524,51.74 101.524,34.976 100.203,33.655 84.912,33.655 81.229,29.972 v1(81.229,29.159)
  Bottom Layer w0.254: U6.59@81.229,20.879 v1(81.229,29.159)
C22: ICM20602.4 U6.60 | length 87.7
  V_S_3 w0.254: ICM20602.4@73.66,62.382 76.454,65.176 92.253,65.176 94.767,62.662 94.767,59.487 102.133,52.121 102.133,34.595 100,32.461 85.75,32.461 v1(82.423,29.134)
  Bottom Layer w0.254: U6.60@81.229,18.339 82.423,19.533 v1(82.423,29.134)
C23: ICM20602.3 U6.57 | length 88.2
  V_S_3 w0.254: ICM20602.3@71.12,62.382 74.524,65.786 92.659,65.786 95.606,62.84 95.606,60.02 102.794,52.832 102.794,33.985 100.66,31.852 86.487,31.852 v1(83.769,29.134)
  Bottom Layer w0.254: U6.57@83.769,20.879 v1(83.769,29.134)
C24: CODE2.4 U6.58 | length 35.5
  Bottom Layer w0.254: CODE2.4@56.49,9.703 58.064,8.128 61.138,8.128 62.23,9.22 62.23,13.106 64.694,15.57 82.829,15.57 83.769,16.51 U6.58@83.769,18.339
C25: P15.1 U6.55 | length 80.9
  Top Layer w0.254: v1(60.376,41.25) 61.824,39.802 61.824,30.734 65.405,27.153 84.607,27.153 v1(85.852,28.397)
  Bottom Layer w0.254: P15.1@46.888,64.694 46.838,64.643 46.838,60.884 48.184,59.538 50.019,59.538 50.571,58.985 50.571,55.321 47.295,52.045 47.295,48.946 49.809,46.431 55.143,46.431 v1@60.35,41.224 ; v1(85.852,28.397) 86.309,27.94 U6.55@86.309,20.879
C26: C26.1 U6.56 | length 12.9
  V_S_3 w0.254: C26.1@76.78,12.802 77.287,13.308 77.287,15.159 78.105,15.977 83.947,15.977 U6.56@86.309,18.339
C27: C27.1 U6.53 | length 21.9
  V_S_3 w0.254: C27.1@71.247,12.802 75.235,16.789 81.737,16.789 82.525,17.577 82.525,19.177 82.956,19.609 87.579,19.609 U6.53@88.849,20.879
C28: CSI.9 U6.54 | length 47.9
  V_S_3 w0.254: CSI.9@52.172,29.312 52.172,23.99 53.594,22.568 89.014,22.568 90.094,21.488 90.094,19.583 U6.54@88.849,18.339
C29: CSI.11 U6.51 | length 43.4
  V_S_3 w0.254: CSI.11@54.712,29.312 54.712,24.105 55.575,23.241 89.281,23.241 91.389,21.133 U6.51@91.389,20.879
C30: Servo.1 U6.52 | length 67.3
  Top Layer w0.254: Servo.1@35.281,11.532 40.716,6.096 84.15,6.096 85.065,7.01 85.065,13.564 86.914,15.413 88.463,15.413 U6.52@91.389,18.339
C31: C31.1 U6.50 | length 32.8
  V_S_3 w0.254: C31.1@71.247,8.89 71.272,8.865 71.272,7.087 72.136,6.223 83.744,6.223 85.014,7.493 85.014,12.471 88.824,16.281 91.872,16.281 U6.50@93.929,18.339
CR: C17.2 R12.2 U2.3 U4.3 | length 76.5
  Top Layer w0.254: U2.3@25.395,26.787 26.518,26.787 26.717,26.986 26.717,29.943 27,30.226 28.439,30.226 29.574,31.361 30.446,31.361 32.537,33.452 40.718,33.452 48.414,41.148 v1(55.474,41.148) 55.474,43.259 C17.2@55.451,43.282 55.489,43.32 R12.2@58.115,43.32
  Bottom Layer w0.254: U4.3@27.239,29.034 U4.3@27.239,28.859 27.298,28.918 27.948,28.918 28.804,29.774 28.804,30.556 29.566,31.318 30.505,31.318 32.639,33.452 38.227,33.452 45.923,41.148 v1(55.474,41.148)
CSI_3V3: C15.2 C16.1 CSI.1 R11.2 U2.5 | length 4.5
  Top Layer w0.508: CSI.1@42.012,29.312 41.986,29.286 41.986,28.372 43.828,26.53 43.828,25.895 43.967,25.756 R11.2@44.05,25.756
D0: "Motor signal.6" U6.14 | length 56.7
  Bottom Layer w0.254: U6.14@65.989,48.819 67.166,49.996 69.08,49.996 69.825,50.741 69.825,52.451 70.942,53.569 101.778,53.569 102.641,54.432 102.641,65.71 102.032,66.319 99.238,66.319 97.993,65.075
D1: "Motor signal.5" U6.13 | length 47.9
  Bottom Layer w0.254: U6.13@65.989,51.359 68.986,54.356 101.092,54.356 101.854,55.118 101.854,63.754 100.533,65.075
D2: "Motor signal.2" U6.12 | length 48
  Bottom Layer w0.254: U6.12@63.449,48.819 62.272,49.996 62.272,53.738 64.11,55.575 64.11,55.579 64.258,55.728 82.728,55.728 85.001,58.001 85.001,60.414 87.96,63.373 92.456,63.373 95.961,59.868 97.866,59.868 97.993,59.995
D3: "Motor signal.1" U6.11 | length 42.4
  Bottom Layer w0.254: U6.11@63.449,51.359 67.234,55.143 98.704,55.143 100.355,56.794 100.355,59.817 100.533,59.995
D4: D4.1 U6.10 | length 110.1
  V_S_3 w0.254: v1(50.648,39.726) 57.404,39.726 60.909,43.231 U6.10@60.909,48.819
  Bottom Layer w0.254: v1(50.648,39.726) 50.14,40.234 46.609,40.234 39.065,32.69 39.065,28.689 40.443,27.311 42.513,27.311 46.241,23.584 46.241,18.834 50.749,14.326 50.749,9.017 53.975,5.791 94.132,5.791 95.57,7.228 95.57,8.041 D4.1@96.012,8.484
D12: OLED.9 U6.15 | length 19.7
  V_S_3 w0.254: U6.15@68.529,51.359 68.529,51.289 67.243,50.003 65.116,50.003 64.643,49.53 64.643,42.291 66.802,40.132 69.723,40.132 OLED.9@71.018,38.837
D13: OLED.11 U6.16 | length 11.7
  V_S_3 w0.254: U6.16@68.529,48.819 66.573,46.863 66.573,43.078 67.031,42.621 69.774,42.621 OLED.11@71.018,41.377
D14: OLED.13 U6.17 | length 8.5
  Bottom Layer w0.254: OLED.13@71.018,43.917 72.314,45.212 72.314,50.114 U6.17@71.069,51.359
D15: OLED.15 U6.18 | length 2.4
  V_S_3 w0.254: OLED.15@71.018,46.457 71.044,46.482 71.044,48.793 U6.18@71.069,48.819
D16: U6.19 Wireless.1 | length 19.3
  Top Layer w0.254: Wireless.1@60.3,60.579 60.401,60.681 62.281,60.681 63.932,59.03 63.932,56.286 65.075,55.143 70.714,55.143 73.451,52.406 73.451,51.517 U6.19@73.609,51.359
D17: U6.20 Wireless.3 | length 23.3
  Top Layer w0.254: Wireless.3@57.76,60.579 57.76,60.3 58.039,60.3 59.123,59.216 59.123,57.032 61.544,54.61 69.825,54.61 72.432,52.002 72.432,49.996 U6.20@73.609,48.819
D26: U6.84 Wireless.4 | length 54.4
  Bottom Layer w0.254: U6.84@50.749,18.339 48.997,20.091 48.997,21.768 49.797,22.568 59.995,22.568 63.043,25.616 63.043,43.129 59.665,46.507 59.665,52.4 57.76,54.305 Wireless.4@57.76,58.039
D27: D27.1 U6.81 | length 31.8
  V_S_3 w0.254: U6.81@53.289,20.879 54.483,19.685 54.483,17.755 55.474,16.764 65.669,16.764 68.072,14.361 68.072,12.04 69.482,10.63 73.812,10.63 74.13,10.312 74.13,8.919 74.574,8.475 76.59,8.475 D27.1@76.657,8.407
GND: "Motor signal.3" "Motor signal.4" ?.3 B10.2 C3.2 C4.1 C5.1 C6.2 C7.1 C8.2 C13.1 C14.2 C15.1 C16.2 C17.1 C26.2 C27.2 C31.2 CODE1.1 CODE2.1 CSI.3 CSI.13 D4.2 D27.2 EM.3 FB1.1 ICM20602.2 LED1.2 LED3.2 LED4.2 OLED.2 P15.2 R14.1 U2.2 U4.2 U6.1 U6.2 U6.83 Wireless.5 Wireless.6 | length 13.8
  Top Layer w0.6: v1(23.978,27.711) 23.995,27.729 25.388,27.729 U2.2@25.395,27.737 ; ?.3@44.846,58.254 v1(44.846,60.12) ; R14.1@51.264,26.761 51.346,26.761 52.22,27.635 55.575,27.635 CSI.13@57.252,29.312
  Bottom Layer w0.6: U4.2@26.289,28.859 26.314,28.884 26.314,29.667 27.657,31.009 27.657,31.555 27.563,31.648 C13.1@27.515,31.648
  other v1: 34.468,18.288 33.782,18.313 43.815,22.301 44.45,22.327 39.624,25.959 23.292,26.314 23.901,26.314 39.624,26.619 23.292,27.051 23.927,27.051 23.292,27.711 28.833,32.258 29.475,32.258 28.833,32.893 29.468,32.893 30.074,32.893 53.315,44.45 53.95,44.45 53.315,45.085 53.95,45.085 39.235,51.13 39.878,51.13 39.235,51.765 39.87,51.765 32.868,64.364 33.51,64.364 34.573,64.389 35.215,64.389 32.868,64.999 33.503,64.999 34.573,65.024 35.208,65.024
GNDBAT: C0.2 C1.1 C2.2 C9.1 C10.2 D3.K FB1.2 FB2.1 MOTOR.1@5.994,28.807 PWR.1@8.077,62.937 R2.1 R3.1 R5.1 U3.2 U3.3 U3.6 U5.4 | length 25.1
  Top Layer w0.6: C10.2@15.57,39.116 20.426,39.116 20.777,39.467 C1.1@20.777,41.554 C0.2@23.362,41.554 23.362,44.646 23.354,44.653 U5.4@22.654,44.653 ; R3.1@33.782,48.647 35.681,48.647 36.157,49.124 FB1.2@36.22,49.124
  Bottom Layer w0.6: U3.6@16.586,22.394 19.041,19.939 FB2.1@24.232,19.939
  other v1: 14.605,33.604 15.248,33.604 14.605,34.239 15.24,34.239 39.624,43.713 40.267,43.713 39.624,44.348 40.259,44.348 39.599,48.692 40.241,48.692 39.599,49.327 40.234,49.327 27.838,52.781 28.481,52.781 27.838,53.416 28.473,53.416
GNDServo: C11.1 C12.2 FB2.2 LED2.2 Servo.3 | length 3.4
  Bottom Layer w0.6: FB2.2@26.137,19.939 26.137,19.875 26.594,19.418 C12.2@26.594,16.764
  other v1: 23.774,9.195 24.417,9.195 23.774,9.83 24.409,9.83 22.962,11.506 23.604,11.506 22.962,12.141 23.597,12.141
NetC0_1: C0.1 R4.2 U5.3 | length 12.9
  Top Layer w0.254: U5.3@22.654,45.923 24.225,45.923 24.994,45.155 24.994,41.599 C0.1@24.949,41.554 24.949,40.665 25.457,40.157 28.854,40.157 29.286,40.589 29.286,41.434 R4.2@29.166,41.554
NetC1_2: C1.2 C2.1 D1.A R1.2 U5.8 | length 3
  Top Layer w0.254: U5.8@28.654,48.463 31.413,48.463 R1.2@31.598,48.647
  other v1: 18.212,42.748 18.923,42.748 30.074,48.463 30.048,49.251